# Altium PCB CONTROLLER_BASE.PcbDoc (part 6 of 7) (continued)
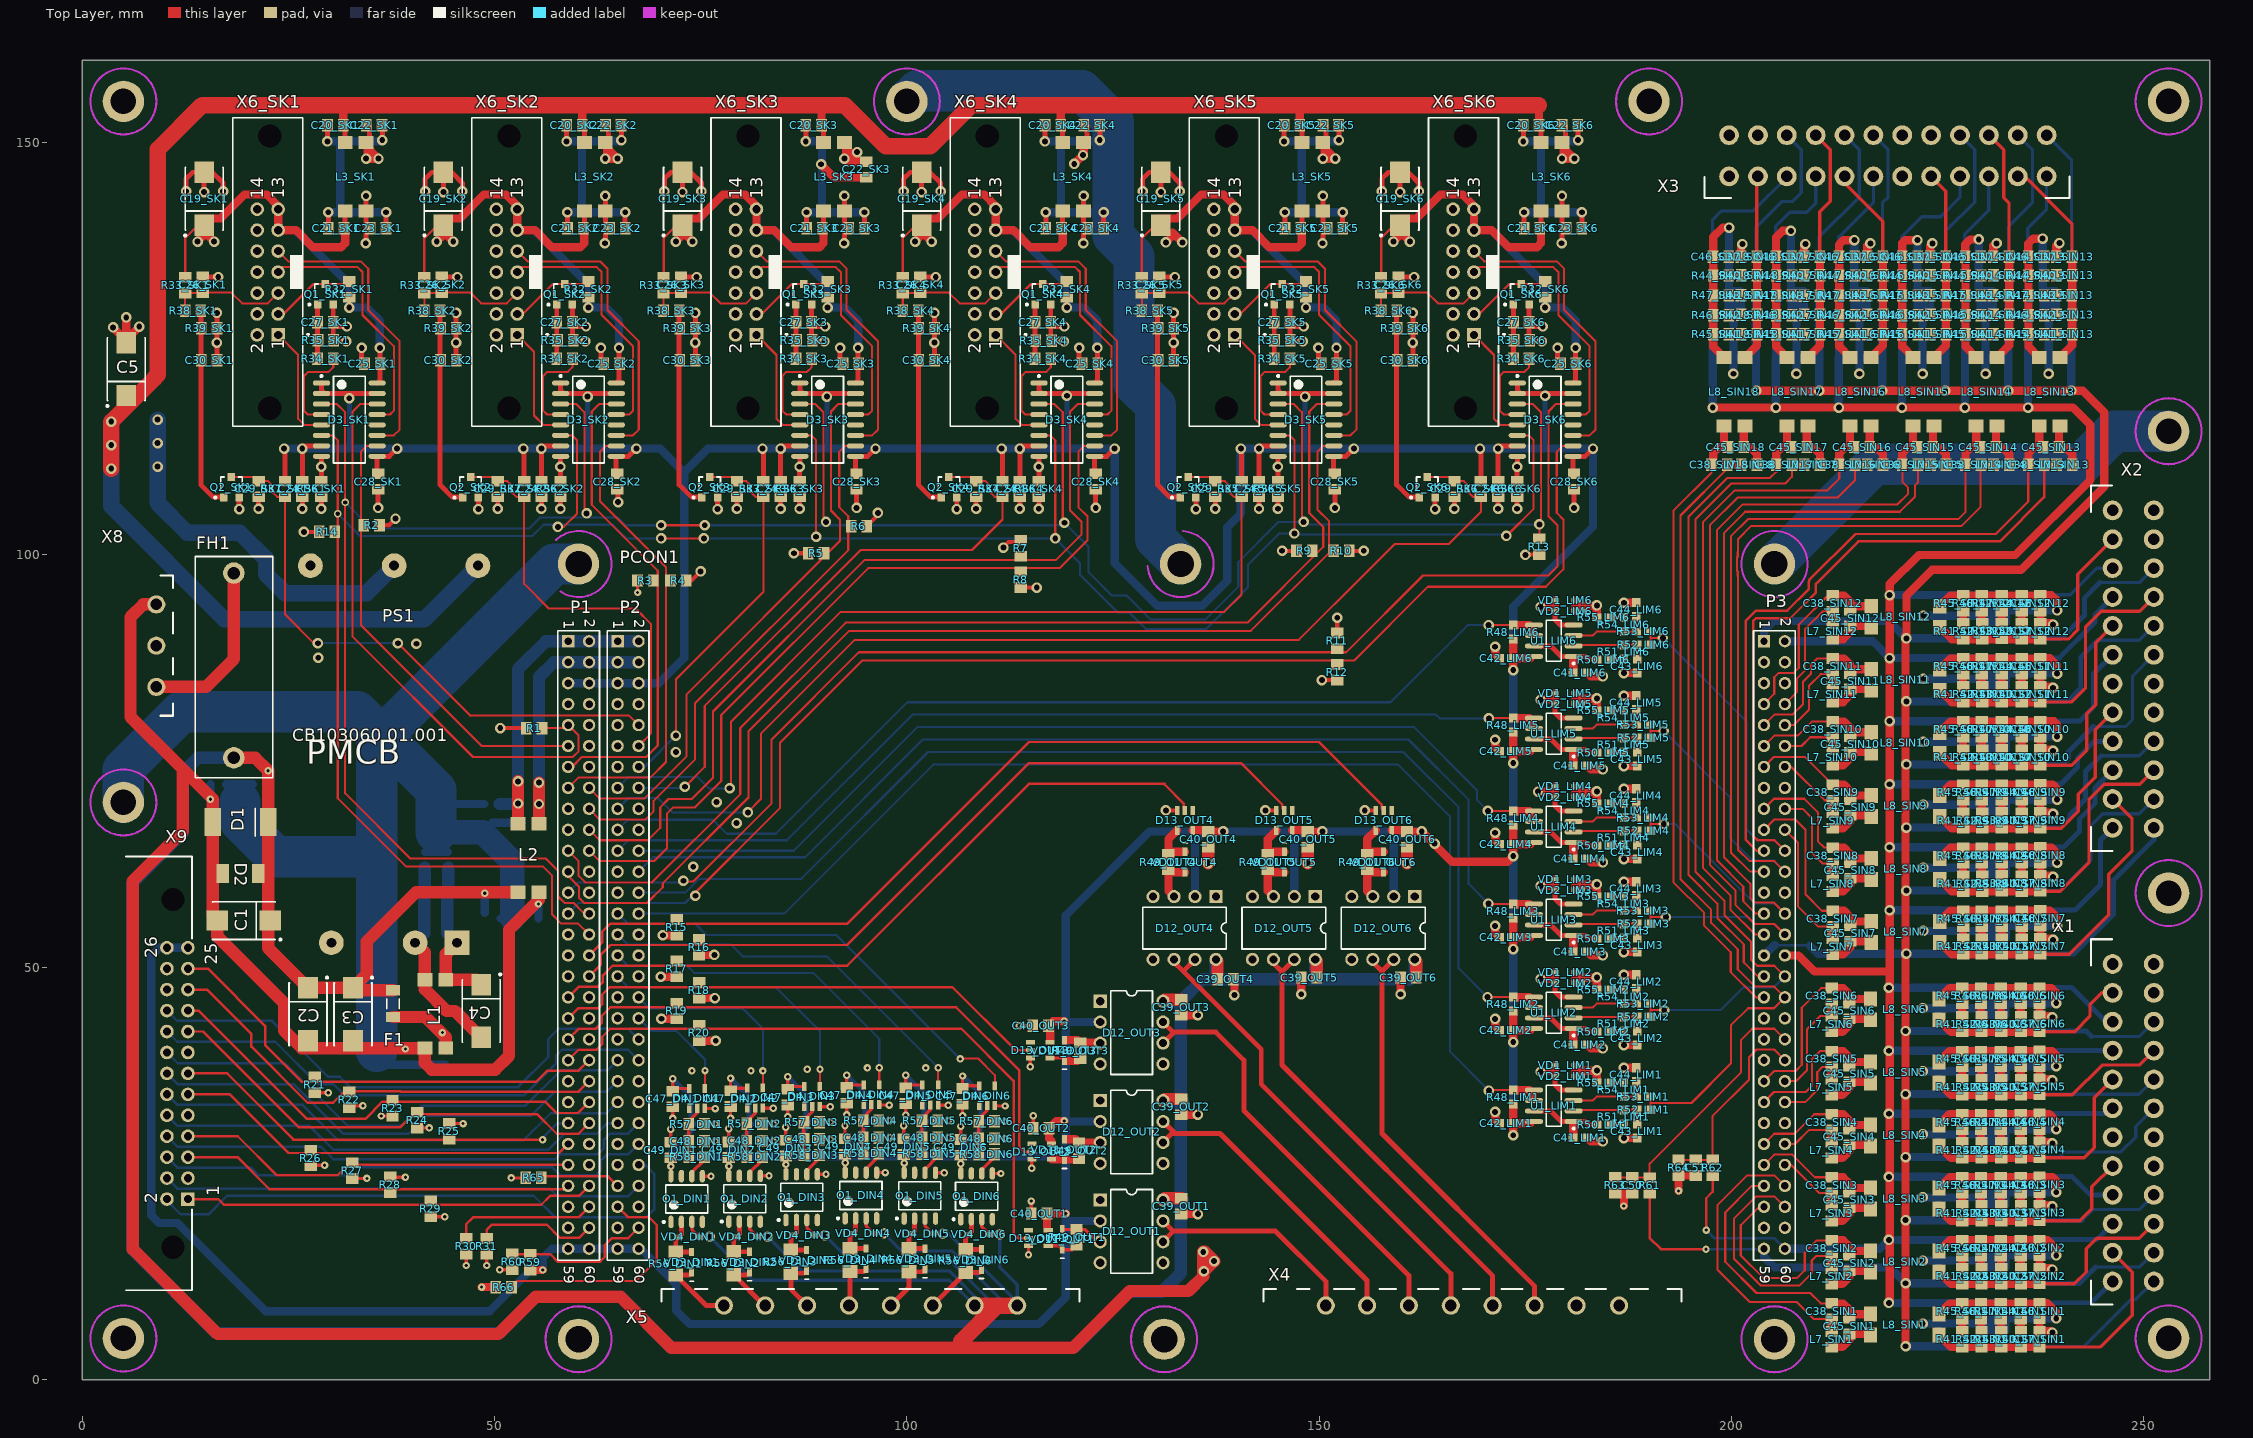
[diagram p0: Top Layer view]
## Nets (pads, with @x,y where several pads share a name; then routed paths per layer and width w, separated by ;. In a path a pad name is that pad's centre, name@x,y a point inside that pad or via, vN(x,y) a via of type N, cw(c..) or ccw(c..) an arc to the next point about the centre after c; other vN are vias at no path point) (continued)
  other v1: 29,110.7
P_GND_SK2: C19_SK2.2 C23_SK2.1 C25_SK2.1 C26_SK2.1 C27_SK2.1 C30_SK2.1 D3_SK2.8 L3_SK2.3 Q1_SK2.2 R35_SK2.2 R36_SK2.1 R39_SK2.2 X6_SK2.2 X6_SK2.4 X6_SK2.6 X6_SK2.8 X6_SK2.10 X6_SK2.12 X6_SK2.14 | length 37.2
  Top Layer w0.6: v1(41.6,144.1) 41.6,145.6 42.4,146.4 C19_SK2.2@43.8,146.4 ; C26_SK2.1@43.61,133.7 v1(45.5,133.7) ; v1(43.8,144) C19_SK2.2@43.8,146.4 ; C30_SK2.1@45.35,123.6 v1(45.35,125.75) R39_SK2.2@45.35,127.5 v1(45.35,129.35) ; v1(46.1,144.1) 46.1,145.1 44.8,146.4 C19_SK2.2@43.8,146.4 ; R36_SK2.1@58,108.95 58,110.8 58.025,110.825 D3_SK2.8@58.025,111.955 ; Q1_SK2.2@59.45,130.35 C27_SK2.1@59.45,128.2 ; v1(61,125.9) 59.55,125.9 59.45,126 C27_SK2.1@59.45,128.2 ; v1(61.1,127.7) 59.95,127.7 C27_SK2.1@59.45,128.2 ; v1(62.9,125.1) 62.9,123.55 C25_SK2.1@63.25,123.2 ; v1(63.4,137.8) 63.44,137.84 C23_SK2.1@63.44,140.11 ; v1(63.44,143.54) L3_SK2.3@63.44,141.7 C23_SK2.1@63.44,140.11 ; C23_SK2.1@63.95,139.6 C23_SK2.1@63.44,140.11
  other v1: 58,110.7
P_GND_SK3: C19_SK3.2 C23_SK3.1 C25_SK3.1 C26_SK3.1 C27_SK3.1 C30_SK3.1 D3_SK3.8 L3_SK3.3 Q1_SK3.2 R35_SK3.2 R36_SK3.1 R39_SK3.2 X6_SK3.2 X6_SK3.4 X6_SK3.6 X6_SK3.8 X6_SK3.10 X6_SK3.12 X6_SK3.14 | length 37.2
  Top Layer w0.6: v1(70.6,144.1) 70.6,145.6 71.4,146.4 C19_SK3.2@72.8,146.4 ; C26_SK3.1@72.61,133.7 v1(74.5,133.7) ; v1(72.8,144) C19_SK3.2@72.8,146.4 ; C30_SK3.1@74.35,123.6 v1(74.35,125.75) R39_SK3.2@74.35,127.5 v1(74.35,129.35) ; v1(75.1,144.1) 75.1,145.1 73.8,146.4 C19_SK3.2@72.8,146.4 ; R36_SK3.1@87,108.95 87,110.8 87.025,110.825 D3_SK3.8@87.025,111.955 ; Q1_SK3.2@88.45,130.35 C27_SK3.1@88.45,128.2 ; v1(90,125.9) 88.55,125.9 88.45,126 C27_SK3.1@88.45,128.2 ; v1(90.1,127.7) 88.95,127.7 C27_SK3.1@88.45,128.2 ; v1(91.9,125.1) 91.9,123.55 C25_SK3.1@92.25,123.2 ; v1(92.4,137.8) 92.44,137.84 C23_SK3.1@92.44,140.11 ; v1(92.44,143.54) L3_SK3.3@92.44,141.7 C23_SK3.1@92.44,140.11 ; C23_SK3.1@92.95,139.6 C23_SK3.1@92.44,140.11
  other v1: 87,110.7
P_GND_SK4: C19_SK4.2 C23_SK4.1 C25_SK4.1 C26_SK4.1 C27_SK4.1 C30_SK4.1 D3_SK4.8 L3_SK4.3 Q1_SK4.2 R35_SK4.2 R36_SK4.1 R39_SK4.2 X6_SK4.2 X6_SK4.4 X6_SK4.6 X6_SK4.8 X6_SK4.10 X6_SK4.12 X6_SK4.14 | length 37.2
  Top Layer w0.6: v1(99.6,144.1) 99.6,145.6 100.4,146.4 C19_SK4.2@101.8,146.4 ; C26_SK4.1@101.61,133.7 v1(103.5,133.7) ; v1(101.8,144) C19_SK4.2@101.8,146.4 ; C30_SK4.1@103.35,123.6 v1(103.35,125.75) R39_SK4.2@103.35,127.5 v1(103.35,129.35) ; v1(104.1,144.1) 104.1,145.1 102.8,146.4 C19_SK4.2@101.8,146.4 ; R36_SK4.1@116,108.95 116,110.8 116.025,110.825 D3_SK4.8@116.025,111.955 ; Q1_SK4.2@117.45,130.35 C27_SK4.1@117.45,128.2 ; v1(119,125.9) 117.55,125.9 117.45,126 C27_SK4.1@117.45,128.2 ; v1(119.1,127.7) 117.95,127.7 C27_SK4.1@117.45,128.2 ; v1(120.9,125.1) 120.9,123.55 C25_SK4.1@121.25,123.2 ; v1(121.4,137.8) 121.44,137.84 C23_SK4.1@121.44,140.11 ; v1(121.44,143.54) L3_SK4.3@121.44,141.7 C23_SK4.1@121.44,140.11 ; C23_SK4.1@121.95,139.6 C23_SK4.1@121.44,140.11
  other v1: 116,110.7
P_GND_SK5: C19_SK5.2 C23_SK5.1 C25_SK5.1 C26_SK5.1 C27_SK5.1 C30_SK5.1 D3_SK5.8 L3_SK5.3 Q1_SK5.2 R35_SK5.2 R36_SK5.1 R39_SK5.2 X6_SK5.2 X6_SK5.4 X6_SK5.6 X6_SK5.8 X6_SK5.10 X6_SK5.12 X6_SK5.14 | length 37.2
  Top Layer w0.6: v1(128.6,144.1) 128.6,145.6 129.4,146.4 C19_SK5.2@130.8,146.4 ; C26_SK5.1@130.61,133.7 v1(132.5,133.7) ; v1(130.8,144) C19_SK5.2@130.8,146.4 ; C30_SK5.1@132.35,123.6 v1(132.35,125.75) R39_SK5.2@132.35,127.5 v1(132.35,129.35) ; v1(133.1,144.1) 133.1,145.1 131.8,146.4 C19_SK5.2@130.8,146.4 ; R36_SK5.1@145,108.95 145,110.8 145.025,110.825 D3_SK5.8@145.025,111.955 ; Q1_SK5.2@146.45,130.35 C27_SK5.1@146.45,128.2 ; v1(148,125.9) 146.55,125.9 146.45,126 C27_SK5.1@146.45,128.2 ; v1(148.1,127.7) 146.95,127.7 C27_SK5.1@146.45,128.2 ; v1(149.9,125.1) 149.9,123.55 C25_SK5.1@150.25,123.2 ; v1(150.4,137.8) 150.44,137.84 C23_SK5.1@150.44,140.11 ; v1(150.44,143.54) L3_SK5.3@150.44,141.7 C23_SK5.1@150.44,140.11 ; C23_SK5.1@150.95,139.6 C23_SK5.1@150.44,140.11
  other v1: 145,110.7
P_GND_SK6: C19_SK6.2 C23_SK6.1 C25_SK6.1 C26_SK6.1 C27_SK6.1 C30_SK6.1 D3_SK6.8 L3_SK6.3 Q1_SK6.2 R35_SK6.2 R36_SK6.1 R39_SK6.2 X6_SK6.2 X6_SK6.4 X6_SK6.6 X6_SK6.8 X6_SK6.10 X6_SK6.12 X6_SK6.14 | length 37.2
  Top Layer w0.6: v1(157.6,144.1) 157.6,145.6 158.4,146.4 C19_SK6.2@159.8,146.4 ; C26_SK6.1@159.61,133.7 v1(161.5,133.7) ; v1(159.8,144) C19_SK6.2@159.8,146.4 ; C30_SK6.1@161.35,123.6 v1(161.35,125.75) R39_SK6.2@161.35,127.5 v1(161.35,129.35) ; v1(162.1,144.1) 162.1,145.1 160.8,146.4 C19_SK6.2@159.8,146.4 ; R36_SK6.1@174,108.95 174,110.8 174.025,110.825 D3_SK6.8@174.025,111.955 ; Q1_SK6.2@175.45,130.35 C27_SK6.1@175.45,128.2 ; v1(177,125.9) 175.55,125.9 175.45,126 C27_SK6.1@175.45,128.2 ; v1(177.1,127.7) 175.95,127.7 C27_SK6.1@175.45,128.2 ; v1(178.9,125.1) 178.9,123.55 C25_SK6.1@179.25,123.2 ; v1(179.4,137.8) 179.44,137.84 C23_SK6.1@179.44,140.11 ; v1(179.44,143.54) L3_SK6.3@179.44,141.7 C23_SK6.1@179.44,140.11 ; C23_SK6.1@179.95,139.6 C23_SK6.1@179.44,140.11
  other v1: 174,110.7
RESET_SK1: D3_SK1.5 X6_SK1.1 | length 14.3
  Top Layer w0.254: X6_SK1.1@23.77,126.68 26.2,124.25 26.2,116.5 26.935,115.765 D3_SK1.5@29.025,115.765
RESET_SK2: D3_SK2.5 X6_SK2.1 | length 14.3
  Top Layer w0.254: X6_SK2.1@52.77,126.68 54.8,124.65 54.8,116.9 55.935,115.765 D3_SK2.5@58.025,115.765
RESET_SK3: D3_SK3.5 X6_SK3.1 | length 14.3
  Top Layer w0.254: X6_SK3.1@81.77,126.68 84.2,124.25 84.2,116.5 84.935,115.765 D3_SK3.5@87.025,115.765
RESET_SK4: D3_SK4.5 X6_SK4.1 | length 14.3
  Top Layer w0.254: X6_SK4.1@110.77,126.68 113.2,124.25 113.2,116.5 113.935,115.765 D3_SK4.5@116.025,115.765
RESET_SK5: D3_SK5.5 X6_SK5.1 | length 14.3
  Top Layer w0.254: X6_SK5.1@139.77,126.68 142.2,124.25 142.2,116.5 142.935,115.765 D3_SK5.5@145.025,115.765
RESET_SK6: D3_SK6.5 X6_SK6.1 | length 14.3
  Top Layer w0.254: X6_SK6.1@168.77,126.68 171.2,124.25 171.2,116.5 171.935,115.765 D3_SK6.5@174.025,115.765
S_M_1: C37_SIN1.1 L8_SIN1.4 R40_SIN1.2 R41_SIN1.2 R42_SIN1.2 R43_SIN1.2 X1.3 | length 34.4
  Top Layer w0.4: C37_SIN1.1@237.347,3.972 244.739,3.972 248.59,7.823 248.59,13.01 X1.3@246.2,15.4
  Top Layer w1: L8_SIN1.4@225.149,5.405 226.607,3.947 R41_SIN1.2@227.974,3.947 R43_SIN1.2@232.707,3.947 R40_SIN1.2@235.103,3.947 C37_SIN1.1@237.499,3.947
S_M_2: C37_SIN2.1 L8_SIN2.4 R40_SIN2.2 R41_SIN2.2 R42_SIN2.2 R43_SIN2.2 X1.6 | length 31.5
  Top Layer w0.4: C37_SIN2.1@237.347,11.617 241.564,11.617 243.002,13.056 243.002,15.85 244.297,17.145 249.445,17.145 X1.6@251.2,18.9
  Top Layer w1: L8_SIN2.4@225.149,13.05 226.607,11.592 R41_SIN2.2@227.974,11.592 R43_SIN2.2@232.707,11.592 R40_SIN2.2@235.103,11.592 C37_SIN2.1@237.499,11.592
S_M_3: C37_SIN3.1 L8_SIN3.4 R40_SIN3.2 R41_SIN3.2 R42_SIN3.2 R43_SIN3.2 X1.9 | length 26.1
  Top Layer w0.4: C37_SIN3.1@237.347,19.263 242.224,19.263 243.688,20.726 243.688,23.388 X1.9@246.2,25.9
  Top Layer w1: L8_SIN3.4@225.149,20.695 226.607,19.237 R41_SIN3.2@227.974,19.237 R43_SIN3.2@232.707,19.237 R40_SIN3.2@235.103,19.237 C37_SIN3.1@237.499,19.237
S_M_4: C37_SIN4.1 L8_SIN4.4 R40_SIN4.2 R41_SIN4.2 R42_SIN4.2 R43_SIN4.2 X1.15 | length 29.3
  Top Layer w0.4: C37_SIN4.1@237.347,26.908 242.757,26.908 243.992,28.143 243.992,34.192 X1.15@246.2,36.4
  Top Layer w1: L8_SIN4.4@225.149,28.341 226.607,26.883 R41_SIN4.2@227.974,26.883 R43_SIN4.2@232.707,26.883 R40_SIN4.2@235.103,26.883 C37_SIN4.1@237.499,26.883
S_M_5: C37_SIN5.1 L8_SIN5.4 R40_SIN5.2 R41_SIN5.2 R42_SIN5.2 R43_SIN5.2 X1.18 | length 29
  Top Layer w0.4: C37_SIN5.1@237.347,34.554 241.335,34.554 244.932,38.151 249.451,38.151 X1.18@251.2,39.9
  Top Layer w1: L8_SIN5.4@225.149,35.986 226.607,34.528 R41_SIN5.2@227.974,34.528 R43_SIN5.2@232.707,34.528 R40_SIN5.2@235.103,34.528 C37_SIN5.1@237.499,34.528
S_M_6: C37_SIN6.1 L8_SIN6.4 R40_SIN6.2 R41_SIN6.2 R42_SIN6.2 R43_SIN6.2 X1.21 | length 24.6
  Top Layer w0.4: C37_SIN6.1@237.347,42.199 241.614,42.199 243.459,44.044 243.459,45.466 244.893,46.9 X1.21@246.2,46.9
  Top Layer w1: L8_SIN6.4@225.149,43.632 226.607,42.174 R41_SIN6.2@227.974,42.174 R43_SIN6.2@232.707,42.174 R40_SIN6.2@235.103,42.174 C37_SIN6.1@237.499,42.174
S_M_7: C37_SIN7.1 L8_SIN7.4 R40_SIN7.2 R41_SIN7.2 R42_SIN7.2 R43_SIN7.2 X2.3 | length 39.4
  Top Layer w0.4: C37_SIN7.1@237.446,51.581 240.938,51.581 245.745,56.388 245.745,61.29 248.564,64.11 248.564,68.036 X2.3@246.2,70.4
  Top Layer w1: L8_SIN7.4@225.248,53.014 226.706,51.556 228.073,51.556 232.806,51.556 235.202,51.556 C37_SIN7.1@237.598,51.556
S_M_8: C37_SIN8.1 L8_SIN8.4 R40_SIN8.2 R41_SIN8.2 R42_SIN8.2 R43_SIN8.2 X2.6 | length 37.3
  Top Layer w0.4: C37_SIN8.1@237.446,59.227 239.869,59.227 243.332,62.69 243.332,70.333 245.186,72.187 249.487,72.187 X2.6@251.2,73.9
  Top Layer w1: L8_SIN8.4@225.248,60.659 226.706,59.201 R41_SIN8.2@228.073,59.201 232.806,59.201 R40_SIN8.2@235.202,59.201 C37_SIN8.1@237.598,59.201
S_M_9: C37_SIN9.1 L8_SIN9.4 R40_SIN9.2 R41_SIN9.2 R42_SIN9.2 R43_SIN9.2 X2.9 | length 32.1
  Top Layer w0.4: C37_SIN9.1@237.446,66.872 239.973,66.872 242.037,68.936 242.037,70.968 244.094,73.025 244.094,78.794 X2.9@246.2,80.9
  Top Layer w1: L8_SIN9.4@225.248,68.305 226.706,66.847 R41_SIN9.2@228.073,66.847 232.806,66.847 R40_SIN9.2@235.202,66.847 C37_SIN9.1@237.598,66.847
S_M_10: C37_SIN10.1 L8_SIN10.4 R40_SIN10.2 R41_SIN10.2 R42_SIN10.2 R43_SIN10.2 X2.15 | length 35.7
  Top Layer w0.4: C37_SIN10.1@237.446,74.517 241.268,74.517 243.053,76.302 243.053,80.747 244.145,81.839 244.145,89.345 X2.15@246.2,91.4
  Top Layer w1: L8_SIN10.4@225.248,75.95 226.706,74.492 R41_SIN10.2@228.073,74.492 232.806,74.492 R40_SIN10.2@235.202,74.492 C37_SIN10.1@237.598,74.492
S_M_11: C37_SIN11.1 L8_SIN11.4 R40_SIN11.2 R41_SIN11.2 R42_SIN11.2 R43_SIN11.2 X2.18 | length 36.3
  Top Layer w0.4: C37_SIN11.1@237.446,82.163 241.218,82.163 242.926,83.871 242.926,91.288 244.805,93.167 249.467,93.167 X2.18@251.2,94.9
  Top Layer w1: L8_SIN11.4@225.248,83.595 226.706,82.137 R41_SIN11.2@228.073,82.137 232.806,82.137 R40_SIN11.2@235.202,82.137 C37_SIN11.1@237.598,82.137
S_M_12: C37_SIN12.1 L8_SIN12.4 R40_SIN12.2 R41_SIN12.2 R42_SIN12.2 R43_SIN12.2 X2.21 | length 30.7
  Top Layer w0.4: C37_SIN12.1@237.446,89.808 240.862,89.808 241.986,90.932 241.986,97.686 X2.21@246.2,101.9
  Top Layer w1: L8_SIN12.4@225.248,91.241 226.706,89.783 R41_SIN12.2@228.073,89.783 232.806,89.783 R40_SIN12.2@235.202,89.783 C37_SIN12.1@237.598,89.783
S_M_13: C37_SIN13.1 L8_SIN13.4 R40_SIN13.2 R41_SIN13.2 R42_SIN13.2 R43_SIN13.2 X3.3 | length 25.9
  Top Layer w0.4: X3.3@234.7,145.9 235.532,145.9 241.278,140.154 C37_SIN13.1@241.278,136.148
  Top Layer w1: L8_SIN13.4@239.845,123.95 241.303,125.408 R41_SIN13.2@241.303,126.775 241.303,131.508 R40_SIN13.2@241.303,133.904 C37_SIN13.1@241.303,136.3
S_M_14: C37_SIN14.1 L8_SIN14.4 R40_SIN14.2 R41_SIN14.2 R42_SIN14.2 R43_SIN14.2 X3.6 | length 28.7
  Top Layer w0.4: X3.6@231.2,150.9 232.994,149.106 232.994,143.332 233.633,142.694 233.633,138.354 C37_SIN14.1@233.633,136.148
  Top Layer w1: L8_SIN14.4@232.2,123.95 233.658,125.408 R41_SIN14.2@233.658,126.775 233.658,131.508 R40_SIN14.2@233.658,133.904 C37_SIN14.1@233.658,136.3
S_M_15: C37_SIN15.1 L8_SIN15.4 R40_SIN15.2 R41_SIN15.2 R42_SIN15.2 R43_SIN15.2 X3.9 | length 23.4
  Top Layer w0.4: X3.9@224.2,145.9 225.987,144.113 C37_SIN15.1@225.987,136.148
  Top Layer w1: L8_SIN15.4@224.555,123.95 226.013,125.408 226.013,131.508 R40_SIN15.2@226.013,133.904 C37_SIN15.1@226.013,136.3
S_M_16: C37_SIN16.1 L8_SIN16.4 R40_SIN16.2 R41_SIN16.2 R42_SIN16.2 R43_SIN16.2 X3.15 | length 23.8
  Top Layer w0.4: X3.15@213.7,145.075 218.342,140.433 C37_SIN16.1@218.342,136.148
  Top Layer w1: L8_SIN16.4@216.909,123.95 218.367,125.408 R41_SIN16.2@218.367,126.775 218.367,131.508 R40_SIN16.2@218.367,133.904 C37_SIN16.1@218.367,136.3
S_M_17: C37_SIN17.1 L8_SIN17.4 R40_SIN17.2 R41_SIN17.2 R42_SIN17.2 R43_SIN17.2 X3.18 | length 29
  Top Layer w0.4: X3.18@210.2,150.9 211.963,149.137 211.963,142.875 210.696,141.608 C37_SIN17.1@210.696,136.148
  Top Layer w1: L8_SIN17.4@209.264,123.95 210.722,125.408 R41_SIN17.2@210.722,126.775 210.722,131.508 R40_SIN17.2@210.722,133.904 C37_SIN17.1@210.722,136.3
S_M_18: C37_SIN18.1 L8_SIN18.4 R40_SIN18.2 R41_SIN18.2 R42_SIN18.2 R43_SIN18.2 X3.21 | length 22.6
  Top Layer w0.4: C37_SIN18.1@203.051,136.148 X3.21@203.051,145.751
  Top Layer w1: L8_SIN18.4@201.618,123.95 203.076,125.408 R41_SIN18.2@203.076,126.775 203.076,131.508 R40_SIN18.2@203.076,133.904 C37_SIN18.1@203.076,136.3
SGND_SIN1: C31_SIN1.1 C33_SIN1.1 C35_SIN1.2 C36_SIN1.2 C46_SIN1.2 L5_SIN1.1 L8_SIN1.3 R44_SIN1.1 R45_SIN1.1 R46_SIN1.1 R47_SIN1.1 | length 33.5
  Top Layer w1: L8_SIN1.3@225.149,7.945 226.455,9.25 R45_SIN1.1@227.974,9.25 R46_SIN1.1@230.241,9.25 R47_SIN1.1@232.661,9.25 R44_SIN1.1@235.08,9.25 C46_SIN1.2@237.499,9.25 ; C46_SIN1.2@237.347,9.276 238.273,9.276 239.369,8.18 v1(239.369,7.426)
  Bottom Layer w1: L5_SIN1.1@229.051,6.802 231.124,6.802 231.2,6.725 ; C36_SIN1.2@233.247,7.401 C36_SIN1.2@233.181,7.401 ; v1(239.369,7.426) C36_SIN1.2@233.181,7.426 C36_SIN1.2@233.181,7.401 ; 231.2,6.725 231.276,6.649 233.181,6.649 ; 231.2,6.725 C35_SIN1.2@231.2,7.401 C36_SIN1.2@233.181,7.401 ; 231.2,6.725 C31_SIN1.1@231.2,5.923 C33_SIN1.1@233.181,5.923 233.181,6.649 ; 233.181,6.649 C36_SIN1.2@233.181,7.401
SGND_SIN2: C31_SIN2.1 C33_SIN2.1 C35_SIN2.2 C36_SIN2.2 C46_SIN2.2 L5_SIN2.1 L8_SIN2.3 R44_SIN2.1 R45_SIN2.1 R46_SIN2.1 R47_SIN2.1 | length 33.5
  Top Layer w1: L8_SIN2.3@225.149,15.59 226.455,16.896 R45_SIN2.1@227.974,16.896 R46_SIN2.1@230.241,16.896 R47_SIN2.1@232.661,16.896 R44_SIN2.1@235.08,16.896 C46_SIN2.2@237.499,16.896 ; C46_SIN2.2@237.347,16.921 238.303,16.921 239.369,15.855 v1(239.369,15.072)
  Bottom Layer w1: L5_SIN2.1@229.051,14.447 231.124,14.447 231.2,14.371 ; C36_SIN2.2@233.247,15.046 C36_SIN2.2@233.181,15.046 ; v1(239.369,15.072) C36_SIN2.2@233.181,15.072 C36_SIN2.2@233.181,15.046 ; 231.2,14.371 231.276,14.295 233.181,14.295 ; 231.2,14.371 C35_SIN2.2@231.2,15.046 C36_SIN2.2@233.181,15.046 ; 231.2,14.371 C31_SIN2.1@231.2,13.568 C33_SIN2.1@233.181,13.568 233.181,14.295 ; 233.181,14.295 C36_SIN2.2@233.181,15.046
SGND_SIN3: C31_SIN3.1 C33_SIN3.1 C35_SIN3.2 C36_SIN3.2 C46_SIN3.2 L5_SIN3.1 L8_SIN3.3 R44_SIN3.1 R45_SIN3.1 R46_SIN3.1 R47_SIN3.1 | length 33.9
  Top Layer w1: L8_SIN3.3@225.149,23.235 226.455,24.541 R45_SIN3.1@227.974,24.541 R46_SIN3.1@230.241,24.541 R47_SIN3.1@232.661,24.541 R44_SIN3.1@235.08,24.541 C46_SIN3.2@237.499,24.541 ; C46_SIN3.2@237.347,24.566 238.933,24.566 239.369,24.131 v1(239.369,22.717)
  Bottom Layer w1: L5_SIN3.1@229.051,22.092 231.124,22.092 231.2,22.016 ; C36_SIN3.2@233.247,22.692 C36_SIN3.2@233.181,22.692 ; v1(239.369,22.717) C36_SIN3.2@233.181,22.717 C36_SIN3.2@233.181,22.692 ; 231.2,22.016 231.276,21.94 233.181,21.94 ; 231.2,22.016 C35_SIN3.2@231.2,22.692 C36_SIN3.2@233.181,22.692 ; 231.2,22.016 C31_SIN3.1@231.2,21.214 C33_SIN3.1@233.181,21.214 233.181,21.94 ; 233.181,21.94 C36_SIN3.2@233.181,22.692
SGND_SIN4: C31_SIN4.1 C33_SIN4.1 C35_SIN4.2 C36_SIN4.2 C46_SIN4.2 L5_SIN4.1 L8_SIN4.3 R44_SIN4.1 R45_SIN4.1 R46_SIN4.1 R47_SIN4.1 | length 33.7
  Top Layer w0.4: C46_SIN4.2@237.347,32.212 C46_SIN4.2@237.525,32.212
  Top Layer w1: L8_SIN4.3@225.149,30.881 226.455,32.186 R45_SIN4.1@227.974,32.186 R46_SIN4.1@230.241,32.186 R47_SIN4.1@232.661,32.186 R44_SIN4.1@235.08,32.186 237.499,32.186 237.525,32.212 238.531,32.212 239.369,31.375 v1(239.369,30.363)
  Bottom Layer w1: L5_SIN4.1@229.051,29.738 231.124,29.738 231.2,29.662 ; C36_SIN4.2@233.247,30.337 C36_SIN4.2@233.181,30.337 ; v1(239.369,30.363) C36_SIN4.2@233.181,30.363 C36_SIN4.2@233.181,30.337 ; 231.2,29.662 231.276,29.585 233.181,29.585 ; 231.2,29.662 C35_SIN4.2@231.2,30.337 C36_SIN4.2@233.181,30.337 ; 231.2,29.662 C31_SIN4.1@231.2,28.859 C33_SIN4.1@233.181,28.859 233.181,29.585 ; 233.181,29.585 C36_SIN4.2@233.181,30.337
SGND_SIN5: C31_SIN5.1 C33_SIN5.1 C35_SIN5.2 C36_SIN5.2 C46_SIN5.2 L5_SIN5.1 L8_SIN5.3 R44_SIN5.1 R45_SIN5.1 R46_SIN5.1 R47_SIN5.1 | length 33.9
  Top Layer w1: L8_SIN5.3@225.149,38.526 226.455,39.832 R45_SIN5.1@227.974,39.832 R46_SIN5.1@230.241,39.832 R47_SIN5.1@232.661,39.832 R44_SIN5.1@235.08,39.832 C46_SIN5.2@237.499,39.832 ; C46_SIN5.2@237.347,39.857 238.857,39.857 239.369,39.346 v1(239.369,38.008)
  Bottom Layer w1: L5_SIN5.1@229.051,37.383 231.124,37.383 231.2,37.307 ; C36_SIN5.2@233.247,37.983 C36_SIN5.2@233.181,37.983 ; v1(239.369,38.008) C36_SIN5.2@233.181,38.008 C36_SIN5.2@233.181,37.983 ; 231.2,37.307 231.276,37.231 233.181,37.231 ; 231.2,37.307 C35_SIN5.2@231.2,37.983 C36_SIN5.2@233.181,37.983 ; 231.2,37.307 C31_SIN5.1@231.2,36.504 C33_SIN5.1@233.181,36.504 233.181,37.231 ; 233.181,37.231 C36_SIN5.2@233.181,37.983
SGND_SIN6: C31_SIN6.1 C33_SIN6.1 C35_SIN6.2 C36_SIN6.2 C46_SIN6.2 L5_SIN6.1 L8_SIN6.3 R44_SIN6.1 R45_SIN6.1 R46_SIN6.1 R47_SIN6.1 | length 33.6
  Top Layer w1: L8_SIN6.3@225.149,46.172 226.455,47.477 R45_SIN6.1@227.974,47.477 R46_SIN6.1@230.241,47.477 R47_SIN6.1@232.661,47.477 R44_SIN6.1@235.08,47.477 238.806,47.477 239.369,46.915 v1(239.369,45.653)
  Bottom Layer w1: L5_SIN6.1@229.051,45.029 231.124,45.029 231.2,44.952 ; C36_SIN6.2@233.247,45.628 C36_SIN6.2@233.181,45.628 ; v1(239.369,45.653) C36_SIN6.2@233.181,45.653 C36_SIN6.2@233.181,45.628 ; 231.2,44.952 231.276,44.876 233.181,44.876 ; 231.2,44.952 C35_SIN6.2@231.2,45.628 C36_SIN6.2@233.181,45.628 ; 231.2,44.952 C31_SIN6.1@231.2,44.15 C33_SIN6.1@233.181,44.15 233.181,44.876 ; 233.181,44.876 C36_SIN6.2@233.181,45.628
SGND_SIN7: C31_SIN7.1 C33_SIN7.1 C35_SIN7.2 C36_SIN7.2 C46_SIN7.2 L5_SIN7.1 L8_SIN7.3 R44_SIN7.1 R45_SIN7.1 R46_SIN7.1 R47_SIN7.1 | length 33.6
  Top Layer w1: L8_SIN7.3@225.248,55.554 226.553,56.859 R45_SIN7.1@228.073,56.859 R46_SIN7.1@230.34,56.859 R47_SIN7.1@232.759,56.859 R44_SIN7.1@235.179,56.859 C46_SIN7.2@237.598,56.859 ; C46_SIN7.2@237.446,56.885 238.599,56.885 239.467,56.016 v1(239.467,55.036)
  Bottom Layer w1: L5_SIN7.1@229.15,54.411 231.223,54.411 231.299,54.335 ; C36_SIN7.2@233.346,55.01 C36_SIN7.2@233.28,55.01 ; v1(239.467,55.036) C36_SIN7.2@233.28,55.036 C36_SIN7.2@233.28,55.01 ; 231.299,54.335 231.375,54.258 233.28,54.258 ; 231.299,54.335 C35_SIN7.2@231.299,55.01 C36_SIN7.2@233.28,55.01 ; 231.299,54.335 C31_SIN7.1@231.299,53.532 C33_SIN7.1@233.28,53.532 233.28,54.258 ; 233.28,54.258 C36_SIN7.2@233.28,55.01
SGND_SIN8: C31_SIN8.1 C33_SIN8.1 C35_SIN8.2 C36_SIN8.2 C46_SIN8.2 L5_SIN8.1 L8_SIN8.3 R44_SIN8.1 R45_SIN8.1 R46_SIN8.1 R47_SIN8.1 | length 33.6
  Top Layer w1: L8_SIN8.3@225.248,63.199 226.553,64.505 R45_SIN8.1@228.073,64.505 R46_SIN8.1@230.34,64.505 R47_SIN8.1@232.759,64.505 R44_SIN8.1@235.179,64.505 236.379,64.505 237.446,64.505 237.598,64.505 238.782,64.505 239.467,63.819 v1(239.467,62.681)
  Bottom Layer w1: L5_SIN8.1@229.15,62.056 231.223,62.056 231.299,61.98 ; C36_SIN8.2@233.346,62.656 C36_SIN8.2@233.28,62.656 ; v1(239.467,62.681) C36_SIN8.2@233.28,62.681 C36_SIN8.2@233.28,62.656 ; 231.299,61.98 231.375,61.904 233.28,61.904 ; 231.299,61.98 C35_SIN8.2@231.299,62.656 C36_SIN8.2@233.28,62.656 ; 231.299,61.98 C31_SIN8.1@231.299,61.177 C33_SIN8.1@233.28,61.177 233.28,61.904 ; 233.28,61.904 C36_SIN8.2@233.28,62.656
SGND_SIN9: C31_SIN9.1 C33_SIN9.1 C35_SIN9.2 C36_SIN9.2 C46_SIN9.2 L5_SIN9.1 L8_SIN9.3 R44_SIN9.1 R45_SIN9.1 R46_SIN9.1 R47_SIN9.1 | length 33.7
  Top Layer w1: L8_SIN9.3@225.248,70.845 226.553,72.15 R45_SIN9.1@228.073,72.15 R46_SIN9.1@230.34,72.15 R47_SIN9.1@232.759,72.15 R44_SIN9.1@235.179,72.15 236.201,72.15 237.446,72.15 237.598,72.15 238.959,72.15 239.467,71.642 v1(239.467,70.326)
  Bottom Layer w1: L5_SIN9.1@229.15,69.702 231.223,69.702 231.299,69.625 ; C36_SIN9.2@233.346,70.301 C36_SIN9.2@233.28,70.301 ; v1(239.467,70.326) C36_SIN9.2@233.28,70.326 C36_SIN9.2@233.28,70.301 ; 231.299,69.625 231.375,69.549 233.28,69.549 ; 231.299,69.625 C35_SIN9.2@231.299,70.301 C36_SIN9.2@233.28,70.301 ; 231.299,69.625 C31_SIN9.1@231.299,68.823 C33_SIN9.1@233.28,68.823 233.28,69.549 ; 233.28,69.549 C36_SIN9.2@233.28,70.301
SGND_SIN10: C31_SIN10.1 C33_SIN10.1 C35_SIN10.2 C36_SIN10.2 C46_SIN10.2 L5_SIN10.1 L8_SIN10.3 R44_SIN10.1 R45_SIN10.1 R46_SIN10.1 R47_SIN10.1 | length 33.9
  Top Layer w1: L8_SIN10.3@225.248,78.49 226.553,79.796 R45_SIN10.1@228.073,79.796 R46_SIN10.1@230.34,79.796 R47_SIN10.1@232.759,79.796 R44_SIN10.1@235.179,79.796 C46_SIN10.2@237.598,79.796 ; C46_SIN10.2@237.446,79.821 239.086,79.821 239.467,79.44 v1(239.467,77.972)
  Bottom Layer w1: L5_SIN10.1@229.15,77.347 231.223,77.347 231.299,77.271 ; C36_SIN10.2@233.346,77.946 C36_SIN10.2@233.28,77.946 ; v1(239.467,77.972) C36_SIN10.2@233.28,77.972 C36_SIN10.2@233.28,77.946 ; 231.299,77.271 231.375,77.195 233.28,77.195 ; 231.299,77.271 C35_SIN10.2@231.299,77.946 C36_SIN10.2@233.28,77.946 ; 231.299,77.271 C31_SIN10.1@231.299,76.468 C33_SIN10.1@233.28,76.468 233.28,77.195 ; 233.28,77.195 C36_SIN10.2@233.28,77.946
SGND_SIN11: C31_SIN11.1 C33_SIN11.1 C35_SIN11.2 C36_SIN11.2 C46_SIN11.2 L5_SIN11.1 L8_SIN11.3 R44_SIN11.1 R45_SIN11.1 R46_SIN11.1 R47_SIN11.1 | length 33.7
  Top Layer w1: L8_SIN11.3@225.248,86.135 226.553,87.441 R45_SIN11.1@228.073,87.441 R46_SIN11.1@230.34,87.441 R47_SIN11.1@232.759,87.441 R44_SIN11.1@235.179,87.441 C46_SIN11.2@237.598,87.441 ; C46_SIN11.2@237.446,87.466 238.624,87.466 239.467,86.623 v1(239.467,85.617)
  Bottom Layer w1: L5_SIN11.1@229.15,84.992 231.223,84.992 231.299,84.916 ; C36_SIN11.2@233.346,85.592 C36_SIN11.2@233.28,85.592 ; v1(239.467,85.617) C36_SIN11.2@233.28,85.617 C36_SIN11.2@233.28,85.592 ; 231.299,84.916 231.375,84.84 233.28,84.84 ; 231.299,84.916 C35_SIN11.2@231.299,85.592 C36_SIN11.2@233.28,85.592 ; 231.299,84.916 C31_SIN11.1@231.299,84.114 C33_SIN11.1@233.28,84.114 233.28,84.84 ; 233.28,84.84 C36_SIN11.2@233.28,85.592
SGND_SIN12: C31_SIN12.1 C33_SIN12.1 C35_SIN12.2 C36_SIN12.2 C46_SIN12.2 L5_SIN12.1 L8_SIN12.3 R44_SIN12.1 R45_SIN12.1 R46_SIN12.1 R47_SIN12.1 | length 33.8
  Top Layer w1: L8_SIN12.3@225.248,93.781 226.553,95.086 R45_SIN12.1@228.073,95.086 R46_SIN12.1@230.34,95.086 R47_SIN12.1@232.759,95.086 R44_SIN12.1@235.179,95.086 C46_SIN12.2@237.598,95.086 ; C46_SIN12.2@237.446,95.112 238.807,95.112 239.467,94.451 v1(239.467,93.263)
  Bottom Layer w1: L5_SIN12.1@229.15,92.638 231.223,92.638 231.299,92.562 ; C36_SIN12.2@233.346,93.237 C36_SIN12.2@233.28,93.237 ; v1(239.467,93.263) C36_SIN12.2@233.28,93.263 C36_SIN12.2@233.28,93.237 ; 231.299,92.562 231.375,92.485 233.28,92.485 ; 231.299,92.562 C35_SIN12.2@231.299,93.237 C36_SIN12.2@233.28,93.237 ; 231.299,92.562 C31_SIN12.1@231.299,91.759 C33_SIN12.1@233.28,91.759 233.28,92.485 ; 233.28,92.485 C36_SIN12.2@233.28,93.237
SGND_SIN13: C31_SIN13.1 C33_SIN13.1 C35_SIN13.2 C36_SIN13.2 C46_SIN13.2 L5_SIN13.1 L8_SIN13.3 R44_SIN13.1 R45_SIN13.1 R46_SIN13.1 R47_SIN13.1 | length 34.1
  Top Layer w1: C46_SIN13.2@235.974,136.148 235.974,137.753 236.576,138.354 v1(237.719,138.354) ; C46_SIN13.2@236,136.3 R44_SIN13.1@236,133.881 R46_SIN13.1@236,129.042 236,125.256 L8_SIN13.3@237.305,123.95
  Bottom Layer w1: v1(237.719,138.354) 237.719,132.087 C36_SIN13.2@237.824,131.982 C36_SIN13.2@237.849,131.982 ; C36_SIN13.2@237.849,132.048 C36_SIN13.2@237.849,131.982 ; L5_SIN13.1@238.448,127.852 238.448,129.925 238.525,130.001 ; C36_SIN13.2@237.849,131.982 C35_SIN13.2@237.849,130.001 238.525,130.001 ; C36_SIN13.2@237.849,131.982 238.601,131.982 ; 238.525,130.001 238.601,130.077 238.601,131.982 ; 238.525,130.001 C31_SIN13.1@239.327,130.001 C33_SIN13.1@239.327,131.982 238.601,131.982
SGND_SIN14: C31_SIN14.1 C33_SIN14.1 C35_SIN14.2 C36_SIN14.2 C46_SIN14.2 L5_SIN14.1 L8_SIN14.3 R44_SIN14.1 R45_SIN14.1 R46_SIN14.1 R47_SIN14.1 | length 33.8
  Top Layer w1: C46_SIN14.2@228.329,136.148 228.329,137.651 228.93,138.252 v1(229.972,138.252) ; C46_SIN14.2@228.354,136.3 R44_SIN14.1@228.354,133.881 R47_SIN14.1@228.354,131.462 R46_SIN14.1@228.354,129.042 R45_SIN14.1@228.354,126.775 228.354,125.256 L8_SIN14.3@229.66,123.95
  Bottom Layer w1: v1(229.972,138.252) 229.972,132.189 C36_SIN14.2@230.178,131.982 C36_SIN14.2@230.204,131.982 ; C36_SIN14.2@230.204,132.048 C36_SIN14.2@230.204,131.982 ; L5_SIN14.1@230.803,127.852 230.803,129.925 230.879,130.001 ; C36_SIN14.2@230.204,131.982 C35_SIN14.2@230.204,130.001 230.879,130.001 ; C36_SIN14.2@230.204,131.982 230.955,131.982 ; 230.879,130.001 230.955,130.077 230.955,131.982 ; 230.879,130.001 C31_SIN14.1@231.682,130.001 C33_SIN14.1@231.682,131.982 230.955,131.982
SGND_SIN15: C31_SIN15.1 C33_SIN15.1 C35_SIN15.2 C36_SIN15.2 C46_SIN15.2 L5_SIN15.1 L8_SIN15.3 R44_SIN15.1 R45_SIN15.1 R46_SIN15.1 R47_SIN15.1 | length 33.8
  Top Layer w1: L8_SIN15.3@222.015,123.95 220.709,125.256 R45_SIN15.1@220.709,126.775 R46_SIN15.1@220.709,129.042 R47_SIN15.1@220.709,131.462 R44_SIN15.1@220.709,133.881 220.709,136.3 220.709,137.829 221.05,138.17 v1(222.533,138.17)
  Bottom Layer w1: v1(222.533,138.17) C36_SIN15.2@222.533,131.982 C36_SIN15.2@222.558,131.982 ; C36_SIN15.2@222.558,132.048 C36_SIN15.2@222.558,131.982 ; L5_SIN15.1@223.158,127.852 223.158,129.925 223.234,130.001 ; C36_SIN15.2@222.558,131.982 C35_SIN15.2@222.558,130.001 223.234,130.001 ; C36_SIN15.2@222.558,131.982 223.31,131.982 ; 223.234,130.001 223.31,130.077 223.31,131.982 ; 223.234,130.001 C31_SIN15.1@224.036,130.001 C33_SIN15.1@224.036,131.982 223.31,131.982
SGND_SIN16: C31_SIN16.1 C33_SIN16.1 C35_SIN16.2 C36_SIN16.2 C46_SIN16.2 L5_SIN16.1 L8_SIN16.3 R44_SIN16.1 R45_SIN16.1 R46_SIN16.1 R47_SIN16.1 | length 33.8
  Top Layer w1: C46_SIN16.2@213.038,136.148 213.038,137.626 213.582,138.17 v1(214.887,138.17) ; C46_SIN16.2@213.064,136.3 R44_SIN16.1@213.064,133.881 R47_SIN16.1@213.064,131.462 R46_SIN16.1@213.064,129.042 R45_SIN16.1@213.064,126.775 213.064,125.256 L8_SIN16.3@214.369,123.95
  Bottom Layer w1: v1(214.887,138.17) C36_SIN16.2@214.887,131.982 C36_SIN16.2@214.913,131.982 ; C36_SIN16.2@214.913,132.048 C36_SIN16.2@214.913,131.982 ; L5_SIN16.1@215.512,127.852 215.512,129.925 215.588,130.001 ; C36_SIN16.2@214.913,131.982 C35_SIN16.2@214.913,130.001 215.588,130.001 ; C36_SIN16.2@214.913,131.982 215.665,131.982 ; 215.588,130.001 215.665,130.077 215.665,131.982 ; 215.588,130.001 C31_SIN16.1@216.391,130.001 C33_SIN16.1@216.391,131.982 215.665,131.982